# Altium PCB LimeSDR-X3_1v0.PcbDoc (part 18 of 25) (continued)
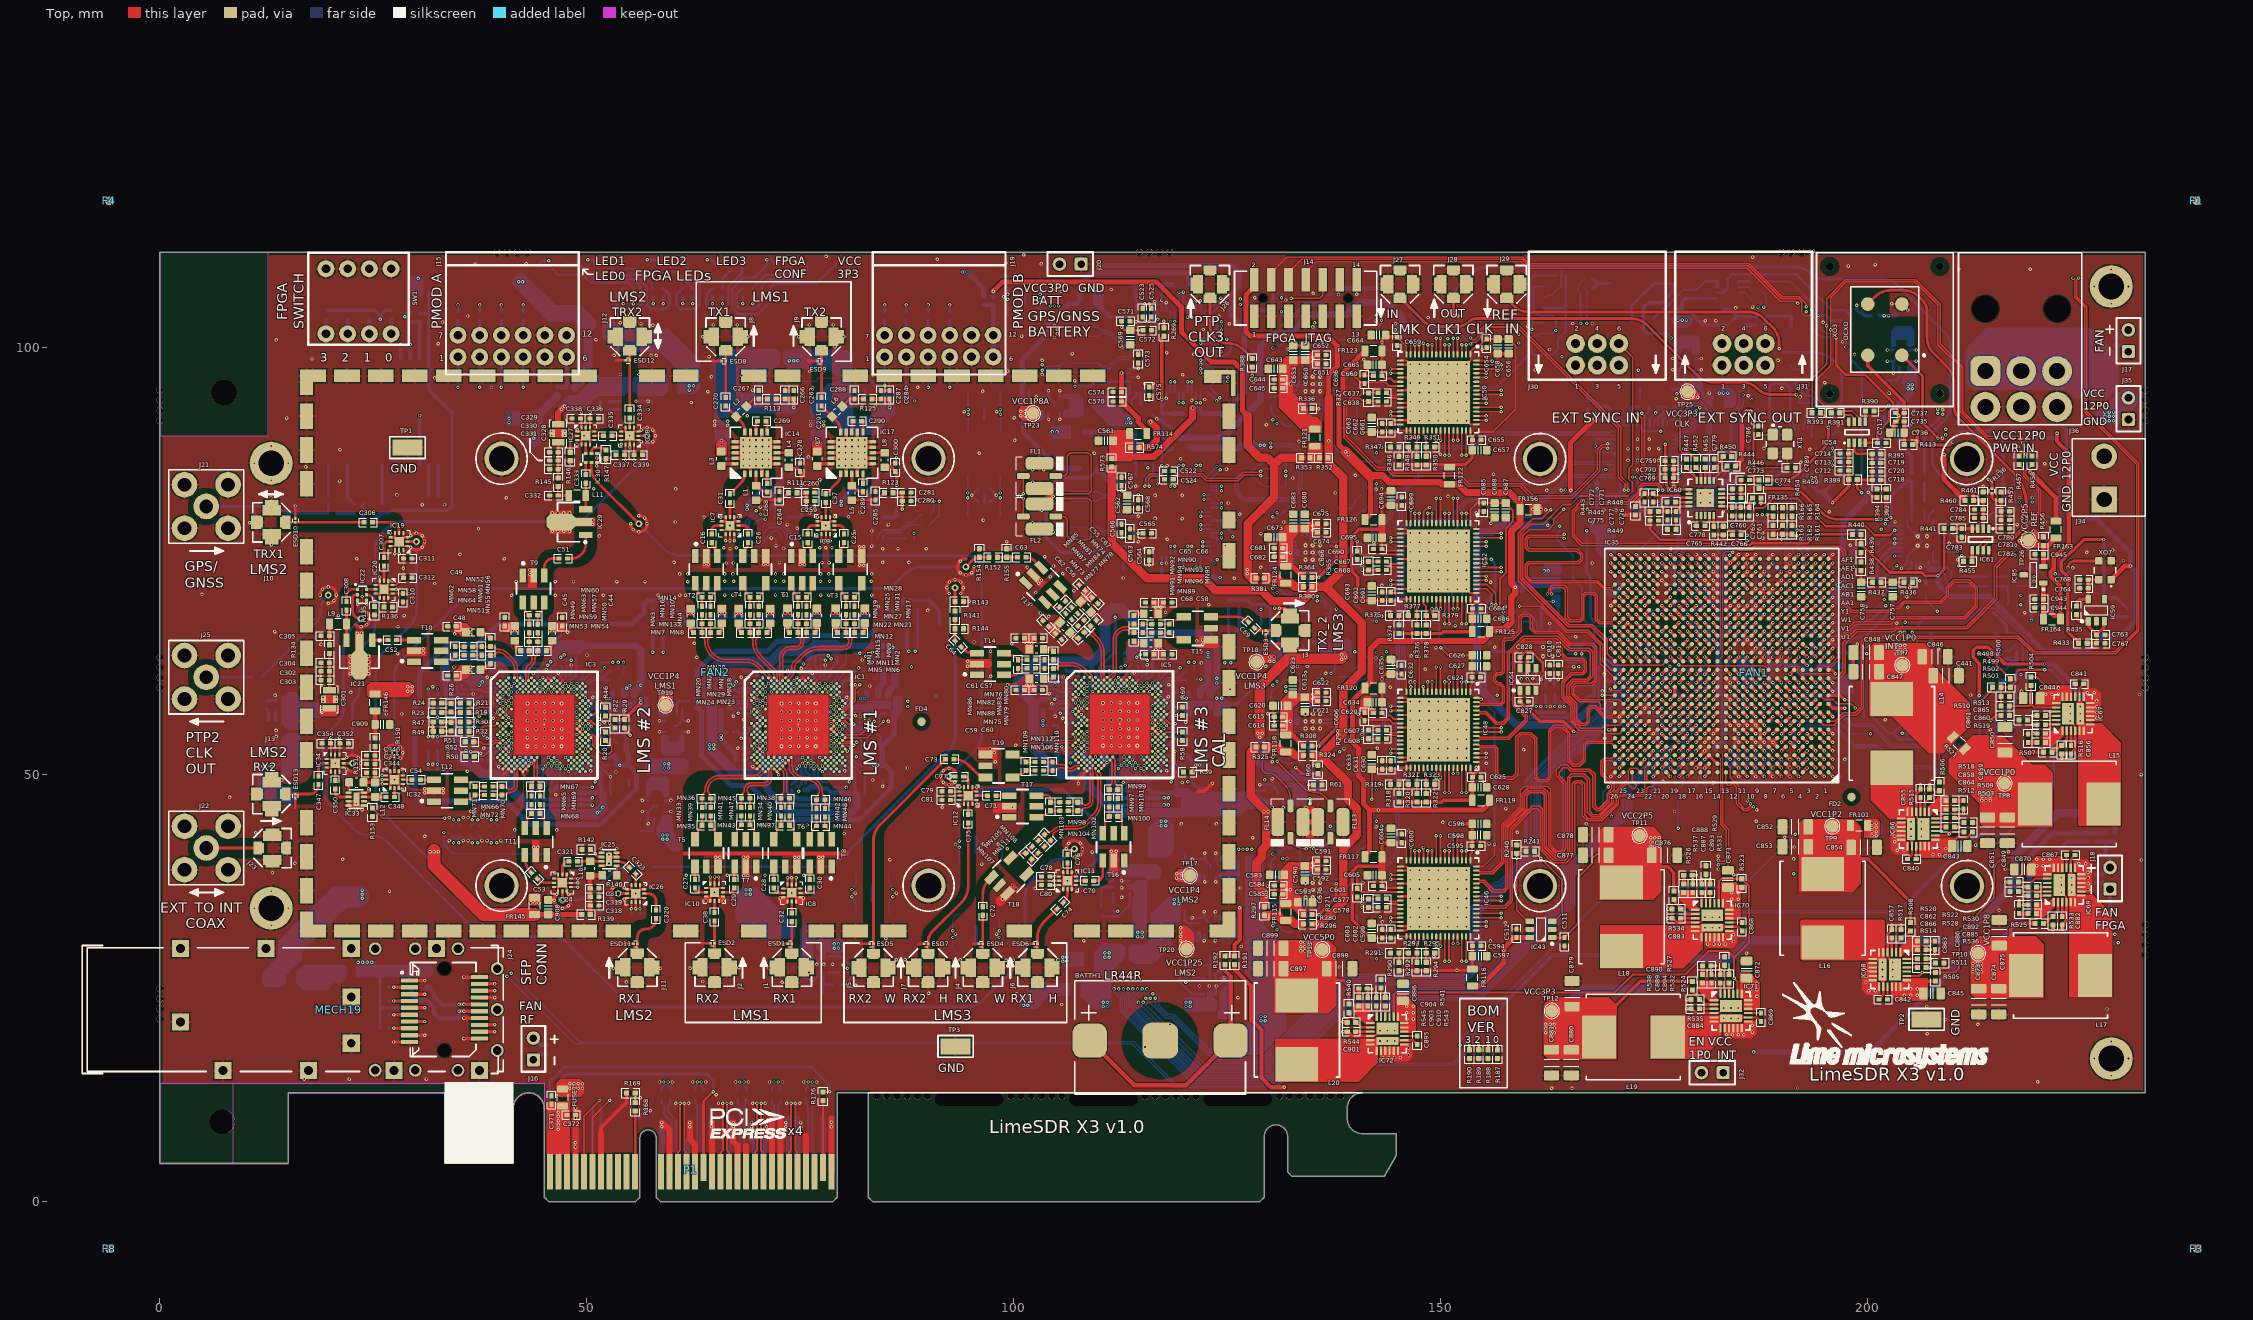
[diagram p0: Top view]
## Nets (pads, with @x,y where several pads share a name; then routed paths per layer and width w, separated by ;. In a path a pad name is that pad's centre, name@x,y a point inside that pad or via, vN(x,y) a via of type N, cw(c..) or ccw(c..) an arc to the next point about the centre after c; other vN are vias at no path point) (continued)
NetC104_1: C104.1 FR10.1 IC1.AM20 | length 2
  Bottom w0.35: C104.1@75.572,50.582 75.572,50.385 76.047,49.91 76.047,49.515 FR10.1@76.247,49.315 ; C104.1@75.576,50.582 75.578,50.584 v2(75.578,51.011)
NetC105_1: C105.1 FR9.1 IC1.AL19 | length 2.2
  Bottom w0.11: v2(75.245,51.344) 75.246,50.738
  Bottom w0.35: 75.096,50.315 75.096,50.219 75.597,49.718 FR9.1@75.597,48.94
NetC106_1: C106.1 FR8.1 IC1.AG5 | length 0.8
  Bottom w0.4: 70.339,51.905 70.339,52.407 v2@70.583,52.651
  other v2: 70.583,52.676
NetC107_2: C107.2 FR7.1 IC1.AD6 | length 2.1
  Bottom w0.35: C107.2@70.822,54.105 70.822,53.937 70.822,53.769 v2(70.916,53.675) 71.366,53.225 71.366,52.409 FR7.1@71.272,52.315
NetC108_1: C108.1 FR5.1 IC1.J3 | length 2.2
  Bottom w0.18: C108.1@69.074,58.707 69.88,58.707 v2(69.917,58.67)
  Bottom w0.25: FR5.1@68.078,59.185 68.589,59.185 68.772,59.185 69.074,58.883 C108.1@69.074,58.707
NetC109_2: C109.2 FR4.1 IC1.J5 IC1.K6 | length 2.3
  Bottom w0.25: C109.2@71.497,58.885 71.497,59.01 71.967,59.48 FR4.1@72.197,59.48
  Bottom w0.35: v2(70.583,58.67) v2(70.916,58.337) 71.464,58.885 C109.2@71.497,58.885
NetC110_2: C110.2 FR12.1 R76.2 R77.2 | length 2.4
  Bottom w0.3: 69.072,62.11 69.242,62.28 69.847,62.28 C110.2@69.967,62.16 69.967,61.71 R76.2@69.847,61.59
  Bottom w0.4: FR12.1@68.353,62.262 68.506,62.11 69.072,62.11
NetC111_1: C111.1 FR18.1 IC1.K2 IC1.L5 | length 7.8
  L4 w0.35: v2(69.584,58.337) 69.467,58.22 69.467,57.817 69.76,57.524 69.76,56.736 69.975,56.521 70.512,56.521 70.85,56.858 70.85,57.737 v2(70.583,58.004)
  Bottom w0.17: C111.1@67.097,57.71 C111.1@67.177,57.79
  Bottom w0.2: v2@69.579,58.332 v2(69.584,58.337)
  Bottom w0.22: C111.1@67.177,57.79 67.694,58.307 v2@69.579,58.307
  Bottom w0.3: FR18.1@66.452,57.72 C111.1@67.122,57.72
NetC112_1: C112.1 FR23.1 IC1.C21 | length 2.6
  Bottom w0.3: v2(75.911,60.668) 76.029,60.668 76.652,61.291 76.652,61.41 76.652,61.465 76.897,61.71 76.897,62.538 FR23.1@76.703,62.732
NetC113_1: C113.1 FR22.1 IC1.AF6 | length 3.4
  Bottom w0.35: FR22.1@68.183,51.715 68.61,51.715 68.827,51.932 69.172,51.932 70.366,53.126 70.799,53.126 v2(70.916,53.009)
NetC114_1: C114.1 FR21.1 IC1.AF2 | length 1.7
  Bottom w0.35: FR21.1@68.188,52.367 68.562,52.367 68.653,52.457 68.774,52.579 69.154,52.579 v2(69.584,53.009)
NetC115_1: C115.1 FR20.1 IC1.AD4 | length 4.1
  Bottom w0.35: FR20.1@67.07,54.974 C115.1@67.718,54.974 67.874,54.819 69.679,54.819 70.25,54.248 v2(70.25,53.675)
NetC116_1: C116.1 FR19.1 IC1.AN17 | length 2.3
  Bottom w0.3: FR19.1@73.903,48.792 74.248,49.137 74.528,49.137 74.553,49.163 74.579,49.188 v2(74.579,50.678)
NetC117_1: C117.1 IC1.D24 R78.1 | length 2.7
  Bottom w0.22: v2(76.91,60.335) 76.858,60.387 76.858,60.925 77.291,61.358 C117.1@77.291,62.338 ; C117.1@77.341,62.338 R78.1@77.341,62.853
NetC119_1: C119.1 C120.1 IC1.W31 R83.2 | length 2.7
  Bottom w0.2: R83.2@77.896,55.888 R83.2@77.971,55.963
  Bottom w0.25: C120.1@77.176,55.888 R83.2@77.896,55.888 ; R83.2@77.971,55.963 77.971,55.938 78.291,55.618 78.397,55.618 78.873,55.142 78.873,55.089 C119.1@78.873,55.036
  Bottom w0.3: C119.1@78.873,55.036 79.176,55.34 v2(79.241,55.34)
NetC121_1: C121.1 C122.1 IC1.H32 R82.2 | length 2.7
  Bottom w0.35: v2(79.574,59.003) 79.574,59.387 79.786,59.599 C121.1@80.031,59.599 C122.1@80.906,59.599 R82.2@81.761,59.599
NetC123_1: C123.1 C124.1 IC1.T32 R81.2 | length 6.9
  Top w0.11: IC1.T32@79.574,56.339 80.161,56.339
  Top w0.25: 80.161,56.339 80.581,55.919 v1@81.181,55.919
  Bottom w0.35: v1(81.231,55.919) 81.606,55.544 81.9,55.544 82.6,55.544 83.906,55.544 84.186,55.824 84.186,56.794 84.561,57.169 R81.2@84.981,57.169
NetC125_1: C125.1 C126.1 IC1.W33 R80.2 | length 3.6
  Bottom w0.35: v2(79.907,55.34) 80.371,54.876 80.834,54.412 80.912,54.412 81.651,54.412 82.256,53.807 R80.2@82.256,53.194
NetC127_1: C127.1 C128.1 IC1.AH30 R79.2 | length 3.8
  Bottom w0.3: v2(78.908,52.343) 79.137,52.113 C127.1@79.531,52.113 C128.1@80.301,52.113 80.703,52.113 81.723,51.094 R79.2@82.231,51.094
NetC129_1: C129.1 FR24.1 IC1.G3 | length 2.2
  Bottom w0.3: FR24.1@68.022,60.133 69.135,60.133 69.917,59.351 v2(69.917,59.336)
NetC130_1: C130.1 FR31.1 IC1.E21 | length 5.4
  Bottom w0.11: 73.903,61.262 73.903,60.877 74.109,60.671 74.474,60.671 74.5,60.645
  Bottom w0.25: 74.525,60.645 74.719,60.45 ; 74.694,60.45 74.719,60.45 ; v2(75.911,60.002) 75.463,60.45 74.719,60.45
  Bottom w0.3: FR31.1@72.797,62.265 72.822,62.265 73.245,62.687 73.737,62.687 73.991,62.433 73.991,61.35 73.903,61.262
NetC131_1: C131.1 FR30.1 IC1.D16 | length 1.4
  Bottom w0.35: FR30.1@73.369,60.332 v2@74.247,60.332 ; FR30.1@73.469,60.407 C131.1@73.469,60.907
  other v2: 74.246,60.335
NetC132_1: C132.1 FR29.1 IC1.E17 | length 1.4
  Bottom w0.35: C132.1@73.977,59.085 FR29.1@73.977,59.715 74.144,59.882 74.459,59.882 v2(74.579,60.002)
NetC133_1: C133.1 FR28.1 IC1.AK22 | length 2.6
  Bottom w0.3: FR28.1@74.861,52.494 75.214,52.846 75.923,52.846 76.351,52.419 76.409,52.361 76.409,51.841 v2(76.244,51.677)
NetC134_1: C134.1 FR27.1 IC1.AM18 | length 1.6
  Bottom w0.31: FR27.1@74.146,50.218 74.146,50.863 74.396,51.113 74.809,51.113 v2(74.912,51.011)
NetC135_1: C135.1 FR26.2 IC1.AE3 IC1.AF4 | length 2.3
  Top w0.3: v2(69.917,53.342) IC1.AF4@70.25,53.009 v2(69.917,53.342)
  Bottom w0.3: 69.152,54.11 69.152,53.585 69.302,53.435 69.824,53.435 v2(69.917,53.342)
NetC136_1: C136.1 FR25.2 IC1.N1 | length 1.2
  Bottom w0.3: FR25.2@68.678,57.176 69.089,57.176 v2(69.251,57.338) 69.251,57.913 C136.1@69.251,57.938
NetC137_1: C137.1 FR33.1 IC1.AM26 | length 1.8
  Bottom w0.25: FR33.1@78.406,50.044 78.541,50.179 C137.1@78.541,50.643
  Bottom w0.3: v2(77.576,51.011) 77.943,50.643 C137.1@78.541,50.643
NetC138_1: C138.1 FR32.2 IC1.H6 | length 5.1
  Bottom w0.11: 69.54,59.077 69.614,59.003 v2(70.916,59.003)
  Bottom w0.35: FR32.2@66.227,59.985 67.302,59.985 67.677,59.66 68.957,59.66 69.54,59.077
NetC139_1: C139.1 FR33.2 R85.2 | length 1.4
  Bottom w0.4: FR33.2@78.97,50.037 79.391,50.037 79.821,50.037 R85.2@80.175,49.683
NetC140_1: C140.1 FR32.1 R84.1 | length 1.2
  Bottom w0.35: R84.1@65.081,60.614 65.081,60.081 65.177,59.985 FR32.1@65.667,59.985
NetC141_1: C141.1 C142.1 C148.1 C149.1 C150.1 C151.1 C152.1 C153.1 IC3.AA29 IC3.AE29 IC3.L33 IC3.R31 R86.2 R87.2 | length 13.5
  L3 w0.4: v2(48.825,53.342) v2(48.825,54.674) 48.141,55.358 48.141,58.357 48.516,58.732 49.016,58.732 49.744,58.004 v2(50.157,58.004)
  Bottom w0.23: v2(49.491,56.672) 49.548,56.615 C151.1@50.147,56.615
  Bottom w0.3: C152.1@47.546,53.583 48.583,53.583 v2(48.825,53.342) ; C141.1@47.546,54.683 C142.1@48.321,54.683 v2@48.815,54.683
  Bottom w0.35: v2(50.157,58.004) v2@50.197,57.964 ; 50.181,56.694 50.296,56.809 50.296,57.865 v2@50.197,57.964 ; C148.1@51.156,57.964 v2@50.197,57.964
NetC143_1: C143.1 C144.1 C145.1 FR36.1 IC3.A17 IC3.C25 IC3.F24 | length 9
  L4 w0.3: v2(44.829,61.334) 46.414,61.334 46.966,60.782 ; v2(47.16,59.669) 46.735,60.094 46.735,60.551 46.966,60.782 ; v2(47.493,60.668) 47.48,60.668 47.366,60.782 46.966,60.782
  Bottom w0.25: v2(47.493,60.668) 47.493,60.755 C145.1@47.871,61.133
  Bottom w0.3: C144.1@46.697,59.705 47.124,59.705 v2(47.16,59.669)
  Bottom w0.35: v2(44.829,61.334) C143.1@45.343,61.334 ; C145.1@47.971,61.133 48.246,61.133 48.756,61.644 FR36.1@48.756,63.744
NetC146_2: C146.2 FR35.1 IC3.M4 | length 3.8
  L10 w0.3: v1(39.016,56.582) v1@39.016,56.609 ; v2@40.486,57.671 v2(40.5,57.671)
  L10 w0.35: v1(39.016,56.582) 39.397,56.582 v2@40.486,57.671
  Bottom w0.35: FR35.1@37.341,56.132 38.566,56.132 v1(39.016,56.582)
NetC147_1: C147.1 FR34.1 IC3.AL21 | length 8.3
  L3 w0.11: 46.161,50.742 v2(46.161,51.344)
  L3 w0.3: 46.161,50.742 46.161,50.537 47.016,49.682 49.449,49.682 v1(50.633,48.497)
  Bottom w0.11: v2(46.161,51.344) 46.164,51.347 46.164,51.956 C147.1@46.179,51.971
  Bottom w0.3: FR34.1@49.128,48.497 v1(50.633,48.497)
NetC154_1: C154.1 IC3.G5 R88.1 | length 2.1
  Bottom w0.3: R88.1@40.097,60.98 40.323,60.754 40.323,60.531 40.328,60.526 40.328,60.109 C154.1@40.194,59.975 v2(40.833,59.336)
NetC155_1: C155.1 FR39.1 IC3.P4 | length 11.5
  L10 w0.3: v2(40.5,57.005) 40.727,57.232 41.048,57.232
  L10 w0.5: v1@35.832,52.818 v1(35.832,52.841) 35.973,52.7 v1(36.375,52.7) 36.95,53.275 36.95,54.775 37.7,55.525 38.8,55.525 39.243,55.082 40.254,55.082 40.856,55.683 41.443,55.683 41.816,56.057 41.816,56.755 41.339,57.232 41.048,57.232
  Bottom w0.3: v2(40.5,57.005) C155.1@40.832,57.337
  Bottom w0.35: v2@40.497,57.002 v2(40.5,57.005)
NetC156_1: C156.1 FR50.1 IC3.D6 IC3.F8 | length 3.6
  Bottom w0.35: C156.1@40.748,60.785 40.748,60.753 41.499,60.002 ; FR50.1@41.581,61.714 41.581,61.395 41.581,61.231 41.924,60.888 41.924,60.879 41.949,60.854 41.949,60.452 41.499,60.002 ; v2(41.832,59.669) 41.499,60.002
  other v2: 41.166,60.335
NetC157_1: C157.1 FR49.1 IC3.B16 | length 3.6
  Bottom w0.17: v2(44.496,61.001) 44.523,60.974 45.008,60.974 45.097,60.885
  Bottom w0.2: v2@44.454,61.043 v2(44.496,61.001)
  Bottom w0.3: 45.097,60.885 45.627,60.885 45.792,61.05 45.792,62.31 45.792,62.45 FR49.1@46.297,62.955
NetC158_1: C158.1 FR48.1 IC3.E19 | length 4.9
  L10 w0.35: v2(45.495,60.002) 45.495,60.954 46.116,61.575 46.116,62.851 v1(45.751,63.216)
  Bottom w0.11: C158.1@45.495,59.188 v2(45.495,60.002)
  Bottom w0.35: FR48.1@45.498,63.55 45.498,63.45 v1@45.741,63.207
NetC159_2: C159.2 FR47.1 IC3.F20 | length 1.1
  Bottom w0.23: v2(45.828,59.669) 46.312,59.185 FR47.1@46.742,59.185
NetC160_1: C160.1 FR46.1 IC3.AJ25 | length 1.2
  Bottom w0.35: v2(47.493,52.01) 48.192,52.01 FR46.1@48.517,51.685
NetC161_1: C161.1 IC3.AP26 R89.1 | length 20.9
  L8 w0.5: v1@38.897,61.36 39.162,61.625 41.775,61.625 42.675,60.725 42.675,59.225 42.375,58.925 42.375,52.898 42.787,52.486 43.362,52.486 44.166,51.682 44.166,50.585 44.77,49.982 47.54,49.982 v2@47.864,50.306
  Bottom w0.3: v1(38.872,61.335) R89.1@39.317,61.335 ; v2(47.826,50.345) 48.046,50.125 C161.1@48.046,49.668
NetC162_1: C162.1 FR44.1 IC3.AN23 | length 1.5
  Bottom w0.35: v2(46.827,50.678) C162.1@46.827,50.025 46.827,49.673 47.147,49.353 FR44.1@47.147,49.315
NetC163_1: C163.1 FR43.1 IC3.AM20 | length 2
  Bottom w0.35: C163.1@45.822,50.582 45.822,50.385 46.297,49.91 46.297,49.515 FR43.1@46.497,49.315 ; C163.1@45.826,50.582 45.828,50.584 v2(45.828,51.011)
NetC164_1: C164.1 FR42.1 IC3.AL19 | length 2.2
  Bottom w0.11: v2(45.495,51.344) 45.496,50.738
  Bottom w0.35: 45.346,50.315 45.346,50.219 45.847,49.718 FR42.1@45.847,48.94
NetC165_1: C165.1 FR41.1 IC3.AG5 | length 0.8
  Bottom w0.4: 40.589,51.905 40.589,52.407 v2@40.833,52.651
  other v2: 40.833,52.676
NetC166_2: C166.2 FR40.1 IC3.AD6 | length 1.6
  Bottom w0.35: v2(41.166,53.675) C166.2@41.616,53.225 41.616,52.409 FR40.1@41.522,52.315
NetC167_1: C167.1 FR38.1 IC3.J3 | length 2.2
  Bottom w0.18: C167.1@39.324,58.707 40.13,58.707 v2(40.167,58.67)
  Bottom w0.25: FR38.1@38.328,59.185 38.839,59.185 39.022,59.185 39.324,58.883 C167.1@39.324,58.707
NetC168_2: C168.2 FR37.1 IC3.J5 IC3.K6 | length 2.3
  L4 w0.35: v2(40.833,58.67) v2(41.166,58.337)
  Bottom w0.25: C168.2@41.747,58.885 41.747,59.01 42.217,59.48 FR37.1@42.447,59.48
  Bottom w0.35: v2(41.166,58.337) 41.714,58.885 C168.2@41.747,58.885
NetC169_2: C169.2 FR45.1 R88.2 R89.2 | length 2.4
  Bottom w0.3: 39.322,62.11 39.492,62.28 40.097,62.28 C169.2@40.217,62.16 40.217,61.71 R88.2@40.097,61.59
  Bottom w0.4: FR45.1@38.603,62.262 38.756,62.11 39.322,62.11
NetC170_1: C170.1 FR51.1 IC3.K2 IC3.L5 | length 12.5
  L4 w0.35: v2(39.834,58.337) 39.717,58.454 39.717,59.983 40.991,61.257 41.816,61.257 42.341,60.732 42.341,58.657 41.466,57.782 41.055,57.782 v2(40.833,58.004)
  Bottom w0.17: C170.1@37.347,57.71 C170.1@37.427,57.79
  Bottom w0.2: v2@39.829,58.332 v2(39.834,58.337)
  Bottom w0.22: C170.1@37.427,57.79 37.944,58.307 v2@39.829,58.307
  Bottom w0.3: FR51.1@36.702,57.72 C170.1@37.372,57.72
NetC171_1: C171.1 FR56.1 IC3.C21 | length 2.6
  Bottom w0.3: v2(46.161,60.668) 46.279,60.668 46.902,61.291 C171.1@46.902,61.41 46.902,61.465 47.147,61.71 47.147,62.538 FR56.1@46.953,62.732
NetC172_1: C172.1 FR55.1 IC3.AF6 | length 3.4
  Bottom w0.35: FR55.1@38.433,51.715 38.86,51.715 39.077,51.932 39.422,51.932 40.616,53.126 41.049,53.126 v2(41.166,53.009)
NetC173_1: C173.1 FR54.1 IC3.AF2 | length 1.7
  Bottom w0.35: FR54.1@38.438,52.367 38.812,52.367 38.903,52.457 39.024,52.579 39.404,52.579 v2(39.834,53.009)
NetC174_1: C174.1 FR53.1 IC3.AD4 | length 4.5
  L10 w0.35: v1(37.916,54.632) 38.059,54.775 38.55,54.775 39.475,53.85 40.325,53.85 v2(40.5,53.675)
  Bottom w0.35: FR53.1@36.67,54.974 C174.1@37.318,54.974 37.573,54.974 v1(37.916,54.632)
NetC175_1: C175.1 FR52.1 IC3.AN17 | length 2.3
  Bottom w0.3: FR52.1@44.153,48.792 44.498,49.137 44.778,49.137 44.829,49.188 v2(44.829,50.678)
NetC176_1: C176.1 IC3.D24 R90.1 | length 2.7
  Bottom w0.22: v2(47.16,60.335) 47.108,60.387 47.108,60.925 47.541,61.358 C176.1@47.541,62.338 ; C176.1@47.591,62.338 R90.1@47.591,62.853
NetC178_1: C178.1 C179.1 IC3.W31 R95.2 | length 2.7
  Bottom w0.2: R95.2@48.146,55.888 R95.2@48.221,55.963
  Bottom w0.25: C179.1@47.426,55.888 R95.2@48.146,55.888 ; R95.2@48.221,55.963 48.221,55.938 48.541,55.618 48.647,55.618 49.123,55.142 C178.1@49.123,55.036
  Bottom w0.3: C178.1@49.123,55.036 49.426,55.34 v2(49.491,55.34)
NetC180_1: C180.1 C181.1 IC3.H32 R94.2 | length 2.7
  Bottom w0.35: v2(49.824,59.003) 49.824,59.387 50.036,59.599 50.281,59.599 C181.1@51.156,59.599 R94.2@52.011,59.599
NetC182_1: C182.1 C183.1 IC3.T32 R93.2 | length 6.9
  Top w0.11: IC3.T32@49.824,56.339 50.411,56.339
  Top w0.25: 50.411,56.339 50.831,55.919 v1@51.431,55.919
  Bottom w0.35: v1(51.481,55.919) 51.856,55.544 54.156,55.544 54.436,55.824 54.436,56.794 54.811,57.169 R93.2@55.231,57.169
NetC184_1: C184.1 C185.1 IC3.W33 R92.2 | length 3.6
  Bottom w0.35: v2(50.157,55.34) 51.084,54.412 C185.1@51.162,54.412 51.901,54.412 52.506,53.807 R92.2@52.506,53.194
NetC186_1: C186.1 C187.1 IC3.AH30 R91.2 | length 3.8
  Bottom w0.3: v2(49.158,52.343) 49.387,52.113 C186.1@49.781,52.113 50.551,52.113 50.953,52.113 51.973,51.094 R91.2@52.481,51.094
NetC188_1: C188.1 FR57.1 IC3.G3 | length 2.2
  Bottom w0.3: FR57.1@38.272,60.133 39.385,60.133 40.167,59.351 v2(40.167,59.336)
NetC189_1: C189.1 FR64.1 IC3.E21 | length 5.1
  Bottom w0.11: 44.153,61.262 44.153,60.877 44.359,60.671 44.724,60.671 44.75,60.645
  Bottom w0.25: 44.775,60.645 44.969,60.45 ; 44.944,60.45 44.969,60.45 ; v2(46.161,60.002) 45.713,60.45 44.969,60.45
  Bottom w0.3: FR64.1@43.047,62.265 43.072,62.265 43.264,62.457 44.041,62.457 44.241,62.257 C189.1@44.241,62.082 44.241,61.35 44.153,61.262
NetC190_1: C190.1 FR63.1 IC3.D16 | length 1.4
  Bottom w0.35: FR63.1@43.619,60.332 v2@44.497,60.332 ; FR63.1@43.719,60.407 C190.1@43.719,60.907
  other v2: 44.496,60.335
NetC191_1: C191.1 FR62.1 IC3.E17 | length 1.4
  Bottom w0.35: C191.1@44.227,59.085 44.227,59.715 44.394,59.882 44.709,59.882 v2(44.829,60.002)
NetC192_1: C192.1 FR61.1 IC3.AK22 | length 2.6
  Bottom w0.3: FR61.1@45.111,52.494 45.464,52.846 46.173,52.846 46.601,52.419 46.659,52.361 46.659,51.841 v2(46.494,51.677)
NetC193_1: C193.1 FR60.1 IC3.AM18 | length 1.6
  Bottom w0.31: FR60.1@44.396,50.218 44.396,50.863 44.646,51.113 45.059,51.113 v2(45.162,51.011)
NetC194_1: C194.1 FR59.2 IC3.AE3 IC3.AF4 | length 1.8
  Top w0.3: v2(40.167,53.342) IC3.AF4@40.5,53.009
  Bottom w0.11: C194.1@39.402,53.635 39.402,53.61 39.497,53.515 39.522,53.515 39.695,53.342 v2(40.167,53.342)
  Bottom w0.3: C194.1@39.402,53.635 FR59.2@39.402,54.11
NetC195_1: C195.1 FR58.2 IC3.N1 | length 1.2
  Bottom w0.3: FR58.2@38.978,57.176 39.339,57.176 v2(39.501,57.338) C195.1@39.501,57.913 C195.1@39.501,57.938
NetC196_1: C196.1 FR66.1 IC3.AM26 | length 1.8
  Bottom w0.25: FR66.1@48.656,50.044 48.791,50.179 C196.1@48.791,50.643
  Bottom w0.3: v2(47.826,51.011) 48.193,50.643 C196.1@48.791,50.643
NetC197_1: C197.1 FR65.2 IC3.H6 | length 5.1
  Bottom w0.11: 39.79,59.077 39.864,59.003 v2(41.166,59.003)
  Bottom w0.35: FR65.2@36.477,59.985 37.552,59.985 37.927,59.66 39.207,59.66 39.79,59.077
NetC198_1: C198.1 FR66.2 R97.2 | length 1.4
  Bottom w0.4: FR66.2@49.22,50.037 49.641,50.037 50.071,50.037 R97.2@50.425,49.683
NetC199_1: C199.1 FR65.1 R96.1 | length 1.2
  Bottom w0.35: R96.1@35.331,60.614 35.331,60.081 35.427,59.985 FR65.1@35.917,59.985
NetC200_1: C200.1 C201.1 C207.1 C208.1 C209.1 C210.1 C211.1 C212.1 IC5.AA29 IC5.AE29 IC5.L33 IC5.R31 R98.2 R99.2 | length 12.3
  L4 w0.4: v2@116.265,53.358 116.945,54.037 117.513,54.037 118.359,54.884 118.359,56.044 117.675,56.728 v2(116.885,56.728) ; v2@116.265,54.69 116.931,54.024
  Bottom w0.3: C209.1@114.986,53.6 116.024,53.6 v2@116.265,53.358 ; C211.1@114.986,54.7 C201.1@115.761,54.7 v2@116.256,54.7
  Bottom w0.35: v2(116.885,56.728) C210.1@117.621,56.728 ; v2@117.597,58.02 v2@117.637,57.98 ; C210.1@117.621,56.71 117.736,56.825 117.736,57.881 v2@117.637,57.98 ; C200.1@118.596,57.98 C208.1@117.907,57.98 v2@117.637,57.98
  other v2: 116.219,53.398 116.219,54.73 117.551,58.06
NetC202_1: C202.1 C203.1 C204.1 FR69.1 IC5.A17 IC5.C25 IC5.F24 | length 13.1
  L4 w0.35: v2@112.226,61.393 112.095,61.525 111.55,61.525 111.3,61.275 111.3,59.775 112.075,59 113.825,59 114.555,59.73 114.075,60.211 114.075,60.55 114.252,60.727 114.254,60.727 114.368,60.841 114.77,60.841 v2(114.887,60.724)
  Bottom w0.25: v2@114.886,60.725 C202.1@115.311,61.15
  Bottom w0.3: C204.1@114.137,59.721 v2@114.564,59.721
  Bottom w0.35: v2@112.269,61.35 C203.1@112.783,61.35 ; C202.1@115.411,61.175 115.65,61.175 116.196,61.721 116.196,63.76
  other v2: 114.554,59.725 112.223,61.39
NetC205_2: C205.2 FR68.1 IC5.M4 | length 1.8
  Bottom w0.17: v2@107.937,57.684 v2@107.94,57.687
  Bottom w0.25: FR68.1@107.325,56.6 107.325,57.072 v2@107.937,57.684 ; v2(107.894,57.727) v2@107.937,57.684 ; v2@107.94,57.687 v2@107.937,57.684
  Bottom w0.3: v2@107.937,57.684 108.046,57.575 C205.2@108.25,57.575
NetC206_1: C206.1 FR67.1 IC5.AL21 | length 11.7
  L4 w0.11: 113.555,50.728 v2(113.555,51.4)
  L4 w0.4: 113.555,50.728 113.555,50.52 114.475,49.6 116.525,49.6 116.873,49.948 119.577,49.948 v1@120.373,49.152
  Bottom w0.11: v2(113.555,51.4) C206.1@113.555,52.009 ; v2@113.601,51.36 v2@113.604,51.363 ; C206.1@113.604,51.972 C206.1@113.619,51.987
  Bottom w0.3: v1(120.375,49.154) 120.796,49.154 121.55,48.4 FR67.1@122.575,48.4
NetC213_1: C213.1 IC5.G5 R100.1 | length 2
  Bottom w0.3: R100.1@107.537,60.996 107.763,60.77 107.763,60.548 107.768,60.543 107.768,60.125 107.634,59.991 v2@108.23,59.395
  other v2: 108.227,59.392
NetC214_1: C214.1 FR72.1 IC5.P4 | length 1.4
  Bottom w0.35: FR72.1@107.43,55.95 107.675,55.95 107.894,56.169 v2(107.894,57.061)
NetC215_1: C215.1 FR83.1 IC5.D6 IC5.F8 | length 3.6
  Bottom w0.35: C215.1@108.188,60.801 108.188,60.769 108.939,60.018 ; FR83.1@109.021,61.73 109.021,61.411 109.021,61.248 109.364,60.905 109.364,60.896 109.389,60.871 109.389,60.468 108.939,60.018 ; v2@109.272,59.685 108.939,60.018
  other v2: 109.226,59.725 108.56,60.391
NetC216_1: C216.1 FR82.1 IC5.B16 | length 3.6
  Bottom w0.17: v2@111.936,61.017 111.963,60.99 112.448,60.99 112.537,60.901
  Bottom w0.2: v2@111.894,61.059 v2@111.936,61.017
  Bottom w0.3: 112.537,60.901 113.067,60.901 113.232,61.066 113.232,62.326 113.737,62.831 FR82.1@113.737,62.971
  other v2: 111.89,61.057
NetC217_1: C217.1 FR81.1 IC5.E19 | length 4.4
  L4 w0.35: v2(112.889,60.058) 113.031,60.2 v1(113.031,62.773)
  Bottom w0.11: C217.1@112.889,59.245 v2(112.889,60.058)
  Bottom w0.35: FR81.1@112.938,63.566 113.031,63.473 v1(113.031,62.773)
NetC218_2: C218.2 FR80.1 IC5.F20 | length 1.9
  Bottom w0.23: v2@113.268,59.685 113.658,59.295 114.988,59.295 FR80.1@115.032,59.251
  other v2: 113.222,59.725
NetC219_1: C219.1 FR79.1 IC5.AJ25 | length 1.2
  Bottom w0.35: v2@114.933,52.026 115.632,52.026 FR79.1@115.957,51.701
  other v2: 114.887,52.066
NetC220_1: C220.1 IC5.AP26 R101.1 | length 20.7
  L4 w0.3: v1(106.312,61.351) 109.049,61.351 109.9,60.5 109.9,53 110.3,52.6 115.125,52.6 115.75,51.975 115.75,50.931 v2(115.22,50.401)
  Bottom w0.3: v1(106.312,61.351) R101.1@106.757,61.351 ; v2@115.266,50.361 115.486,50.141 C220.1@115.486,49.685
NetC221_1: C221.1 FR77.1 IC5.AN23 | length 1.5
  Bottom w0.35: v2@114.267,50.694 114.267,49.69 114.587,49.37 FR77.1@114.587,49.331
  other v2: 114.221,50.734
NetC222_1: C222.1 FR76.1 IC5.AM20 | length 2
  Bottom w0.35: C222.1@113.262,50.599 113.262,50.401 113.737,49.926 113.737,49.531 FR76.1@113.937,49.331 ; C222.1@113.266,50.599 113.268,50.601 v2@113.268,51.027
  other v2: 113.222,51.067
NetC223_1: C223.1 FR75.1 IC5.AL19 | length 2.2
  Bottom w0.11: v2(112.889,51.4) 112.89,50.795
  Bottom w0.35: 112.787,50.332 112.787,50.236 113.287,49.735 FR75.1@113.287,48.956
NetC224_1: C224.1 FR74.1 IC5.AG5 | length 0.8
  Bottom w0.4: 108.029,51.921 108.029,52.423 v2@108.273,52.667
  other v2: 108.227,52.732
NetC225_2: C225.2 FR73.1 IC5.AD6 | length 1.6
  Bottom w0.35: v2@108.606,53.691 C225.2@109.056,53.241 109.056,52.425 FR73.1@108.962,52.331
  other v2: 108.56,53.731
NetC226_1: C226.1 FR71.1 IC5.J3 | length 2.1
  Bottom w0.18: C226.1@106.839,58.776 v2@107.561,58.776 ; v2@107.57,58.723 v2@107.607,58.686
  Bottom w0.25: FR71.1@105.768,59.201 106.462,59.201 106.839,58.824 106.839,58.751 C226.1@106.839,58.723
  other v2: 107.561,58.726
NetC227_2: C227.2 FR70.1 IC5.J5 IC5.K6 | length 2.3
  L4 w0.35: v2@108.273,58.686 v2@108.606,58.353
  Bottom w0.25: C227.2@109.187,58.901 109.187,59.026 109.657,59.496 FR70.1@109.887,59.496
  Bottom w0.35: v2(108.56,58.393) 108.646,58.393 109.154,58.901 C227.2@109.171,58.901 C227.2@109.187,58.901
  other v2: 108.227,58.726
NetC228_2: C228.2 FR78.1 R100.2 R101.2 | length 2.4
  Bottom w0.3: 106.762,62.126 106.932,62.296 107.537,62.296 C228.2@107.657,62.176 107.657,61.726 R100.2@107.537,61.606
  Bottom w0.4: FR78.1@106.043,62.279 106.196,62.126 106.762,62.126
NetC229_1: C229.1 FR84.1 IC5.K2 IC5.L5 | length 7.9
  L4 w0.35: v2(107.228,58.393) 107.05,58.215 107.05,57.925 107.4,57.575 107.4,56.825 107.7,56.525 108.2,56.525 108.525,56.85 108.525,57.769 v2@108.273,58.02
  Bottom w0.17: C229.1@104.787,57.726 104.797,57.736 C229.1@104.802,57.741 C229.1@104.867,57.806
  Bottom w0.2: v2@107.228,58.353 v2@107.274,58.353
  Bottom w0.22: C229.1@104.867,57.806 105.384,58.323 107.198,58.323 v2@107.228,58.353
  Bottom w0.3: FR84.1@104.142,57.736 104.797,57.736 C229.1@104.812,57.736
  other v2: 108.227,58.06
NetC230_1: C230.1 FR89.1 IC5.C21 | length 2.6
  Bottom w0.3: v2@113.601,60.684 113.719,60.684 114.342,61.308 114.342,61.426 114.342,61.481 114.587,61.726 114.587,62.555 FR89.1@114.393,62.749
  other v2: 113.555,60.724
NetC231_1: C231.1 FR88.1 IC5.AF6 | length 3.4
  Bottom w0.35: FR88.1@105.873,51.731 106.3,51.731 106.517,51.948 106.807,51.948 108.041,53.182 108.449,53.182 v2@108.606,53.025
  other v2: 108.56,53.065
NetC232_1: C232.1 FR87.1 IC5.AF2 | length 1.6
  Bottom w0.35: FR87.1@105.878,52.383 106.252,52.383 106.464,52.595 106.758,52.595 v2(107.228,53.065)
NetC233_1: C233.1 FR86.1 IC5.AD4 | length 5.1
  L4 w0.35: v1(104.875,54.925) 105.45,54.35 106.325,54.35 106.8,53.875 107.756,53.875 v2@107.897,53.734
  Bottom w0.35: FR86.1@104.511,55.741 C233.1@105.158,55.741 105.158,55.208 v1(104.875,54.925)
  other v2: 107.894,53.731
NetC234_1: C234.1 FR85.1 IC5.AN17 | length 2.3
  Bottom w0.3: FR85.1@111.593,48.809 111.938,49.154 112.218,49.154 112.244,49.18 C234.1@112.269,49.205 ; C234.1@112.223,49.245 v2(112.223,50.734)
NetC235_1: C235.1 IC5.D24 R102.1 | length 2.8
  Bottom w0.22: v2@114.6,60.351 114.557,60.394 114.475,60.477 114.475,60.869 114.981,61.375 C235.1@114.981,62.355 ; C235.1@115.031,62.355 R102.1@115.031,62.87
  other v2: 114.554,60.391
NetC237_1: C237.1 C238.1 IC5.W31 R107.2 | length 2.7
  Bottom w0.2: R107.2@115.586,55.905 R107.2@115.661,55.98
  Bottom w0.25: C238.1@114.866,55.905 R107.2@115.586,55.905 ; R107.2@115.661,55.98 115.661,55.955 115.981,55.635 116.087,55.635 116.563,55.159 C237.1@116.563,55.053
  Bottom w0.3: C237.1@116.563,55.053 116.867,55.356 v2@116.931,55.356
  other v2: 116.885,55.396
NetC239_1: C239.1 C240.1 IC5.H32 R106.2 | length 2.6
  Bottom w0.35: v2(117.218,59.059) 117.218,59.357 117.476,59.615 C239.1@117.856,59.615 C240.1@118.521,59.615 R106.2@119.451,59.615
NetC241_1: C241.1 C242.1 IC5.T32 R105.2 | length 6.4
  Top w0.11: IC5.T32@117.218,56.395 117.805,56.395
  Top w0.25: 117.805,56.395 118.225,55.975 v1@118.825,55.975
  Bottom w0.35: v1@118.921,55.935 119.296,55.56 119.679,55.56 121.046,55.56 R105.2@122.671,57.185
  other v1: 118.875,55.975
NetC243_1: C243.1 C244.1 IC5.W33 R104.2 | length 3.6
  Bottom w0.35: v2@117.597,55.356 C243.1@118.165,54.789 118.525,54.429 118.602,54.429 119.341,54.429 119.946,53.824 R104.2@119.946,53.21
  other v2: 117.551,55.396
NetC245_1: C245.1 C246.1 IC5.AH30 R103.2 | length 3.8
  Bottom w0.3: v2@116.598,52.359 116.828,52.13 C245.1@117.221,52.13 117.991,52.13 118.394,52.13 119.413,51.11 R103.2@119.921,51.11
  other v2: 116.552,52.399
NetC247_1: C247.1 FR90.1 IC5.G3 | length 2.2
  Bottom w0.3: FR90.1@105.712,60.15 C247.1@106.488,60.15 106.825,60.15 v2@107.572,59.403
  other v2: 107.561,59.392
NetC248_1: C248.1 FR97.1 IC5.E21 | length 5.5
  Bottom w0.11: 111.525,61.398 111.588,61.462 ; 111.65,60.725 112.164,60.725 ; 112.164,60.687 112.19,60.661
  Bottom w0.15: 111.525,61.398 111.525,60.85 111.65,60.725
  Bottom w0.25: 112.215,60.661 112.41,60.467 ; 112.385,60.467 112.41,60.467 ; v2@113.601,60.018 113.153,60.467 112.41,60.467
  Bottom w0.3: FR97.1@110.487,62.281 110.512,62.281 110.935,62.704 111.427,62.704 111.681,62.45 C248.1@111.681,62.183 111.681,61.554 111.588,61.462
  other v2: 113.555,60.058
NetC249_1: C249.1 FR96.1 IC5.D16 | length 1.3
  Bottom w0.35: FR96.1@111.06,60.349 111.848,60.349 v2(111.89,60.391) ; FR96.1@111.16,60.424 C249.1@111.16,60.898
NetC250_1: C250.1 FR95.1 IC5.E17 | length 1.3
  Bottom w0.35: C250.1@111.667,59.101 111.667,59.731 111.835,59.899 112.064,59.899 v2(112.223,60.058)
NetC251_1: C251.1 FR94.1 IC5.AK22 | length 2.7
  Bottom w0.3: FR94.1@112.551,52.51 112.966,52.925 113.551,52.925 114.099,52.377 114.099,51.944 v2(113.888,51.733)
NetC252_1: C252.1 FR93.1 IC5.AM18 | length 1.5
  Bottom w0.31: FR93.1@111.79,50.275 111.79,50.92 112.04,51.17 ; 112.086,51.18 C252.1@112.293,51.18 v2@112.5,51.18 ; v2@112.5,51.13 v2@112.559,51.07
  other v2: 112.556,51.067
NetC253_1: C253.1 FR92.2 IC5.AE3 IC5.AF4 | length 5.3
  Top w0.3: v2(107.561,53.398) IC5.AF4@107.894,53.065 v2(107.561,53.398)
  L4 w0.35: v1(105.592,53.283) 105.71,53.4 106.225,53.4 107.125,52.5 107.5,52.5 107.777,52.777 107.777,53.188 v2@107.607,53.358
  Bottom w0.3: C253.1@105.442,53.676 105.442,53.433 v1(105.592,53.283) ; C253.1@105.442,53.801 FR92.2@105.442,54.326
NetC254_1: C254.1 FR91.2 IC5.N1 | length 1.1
  Bottom w0.3: FR91.2@106.418,57.192 106.693,57.192 v2(106.895,57.394) 106.941,57.44 C254.1@106.941,57.917 C254.1@106.941,57.955
NetC255_1: C255.1 FR99.1 IC5.AM26 | length 1.8
  Bottom w0.25: FR99.1@116.096,50.06 116.231,50.195 C255.1@116.231,50.66
  Bottom w0.3: v2@115.266,51.027 115.634,50.66 C255.1@116.231,50.66
  other v2: 115.22,51.067
NetC256_1: C256.1 FR98.2 IC5.H6 | length 4.9
  Bottom w0.11: 107.258,59.059 v2(108.56,59.059)
  Bottom w0.3: 106.639,59.676 107.198,59.117
  Bottom w0.35: FR98.2@103.917,60.001 C256.1@104.455,60.001 104.992,60.001 105.367,59.676 106.639,59.676
NetC257_1: C257.1 FR99.2 R109.2 | length 1.4
  Bottom w0.4: FR99.2@116.66,50.054 117.081,50.054 117.511,50.054 R109.2@117.865,49.699
NetC258_1: C258.1 FR98.1 R108.1 | length 1.2
  Bottom w0.35: R108.1@102.771,60.63 102.771,60.097 102.867,60.001 FR98.1@103.357,60.001
NetC264_2: C264.2 L1.1 R111.1 | length 4.2
  Top w0.325: L1.1@69.797,82.142 C264.2@72.547,82.142 72.68,82.275 72.875,82.275 R111.1@73.6,83
NetC265_1: C265.1 IC13.4 | length 1.4
  Bottom w0.4: C265.1@70.175,95.925 70.325,96.075 IC13.4@71.475,96.075